# Altium PCB ANTS-DCU_RevB1.PCBDOC (part 2 of 3) (continued)
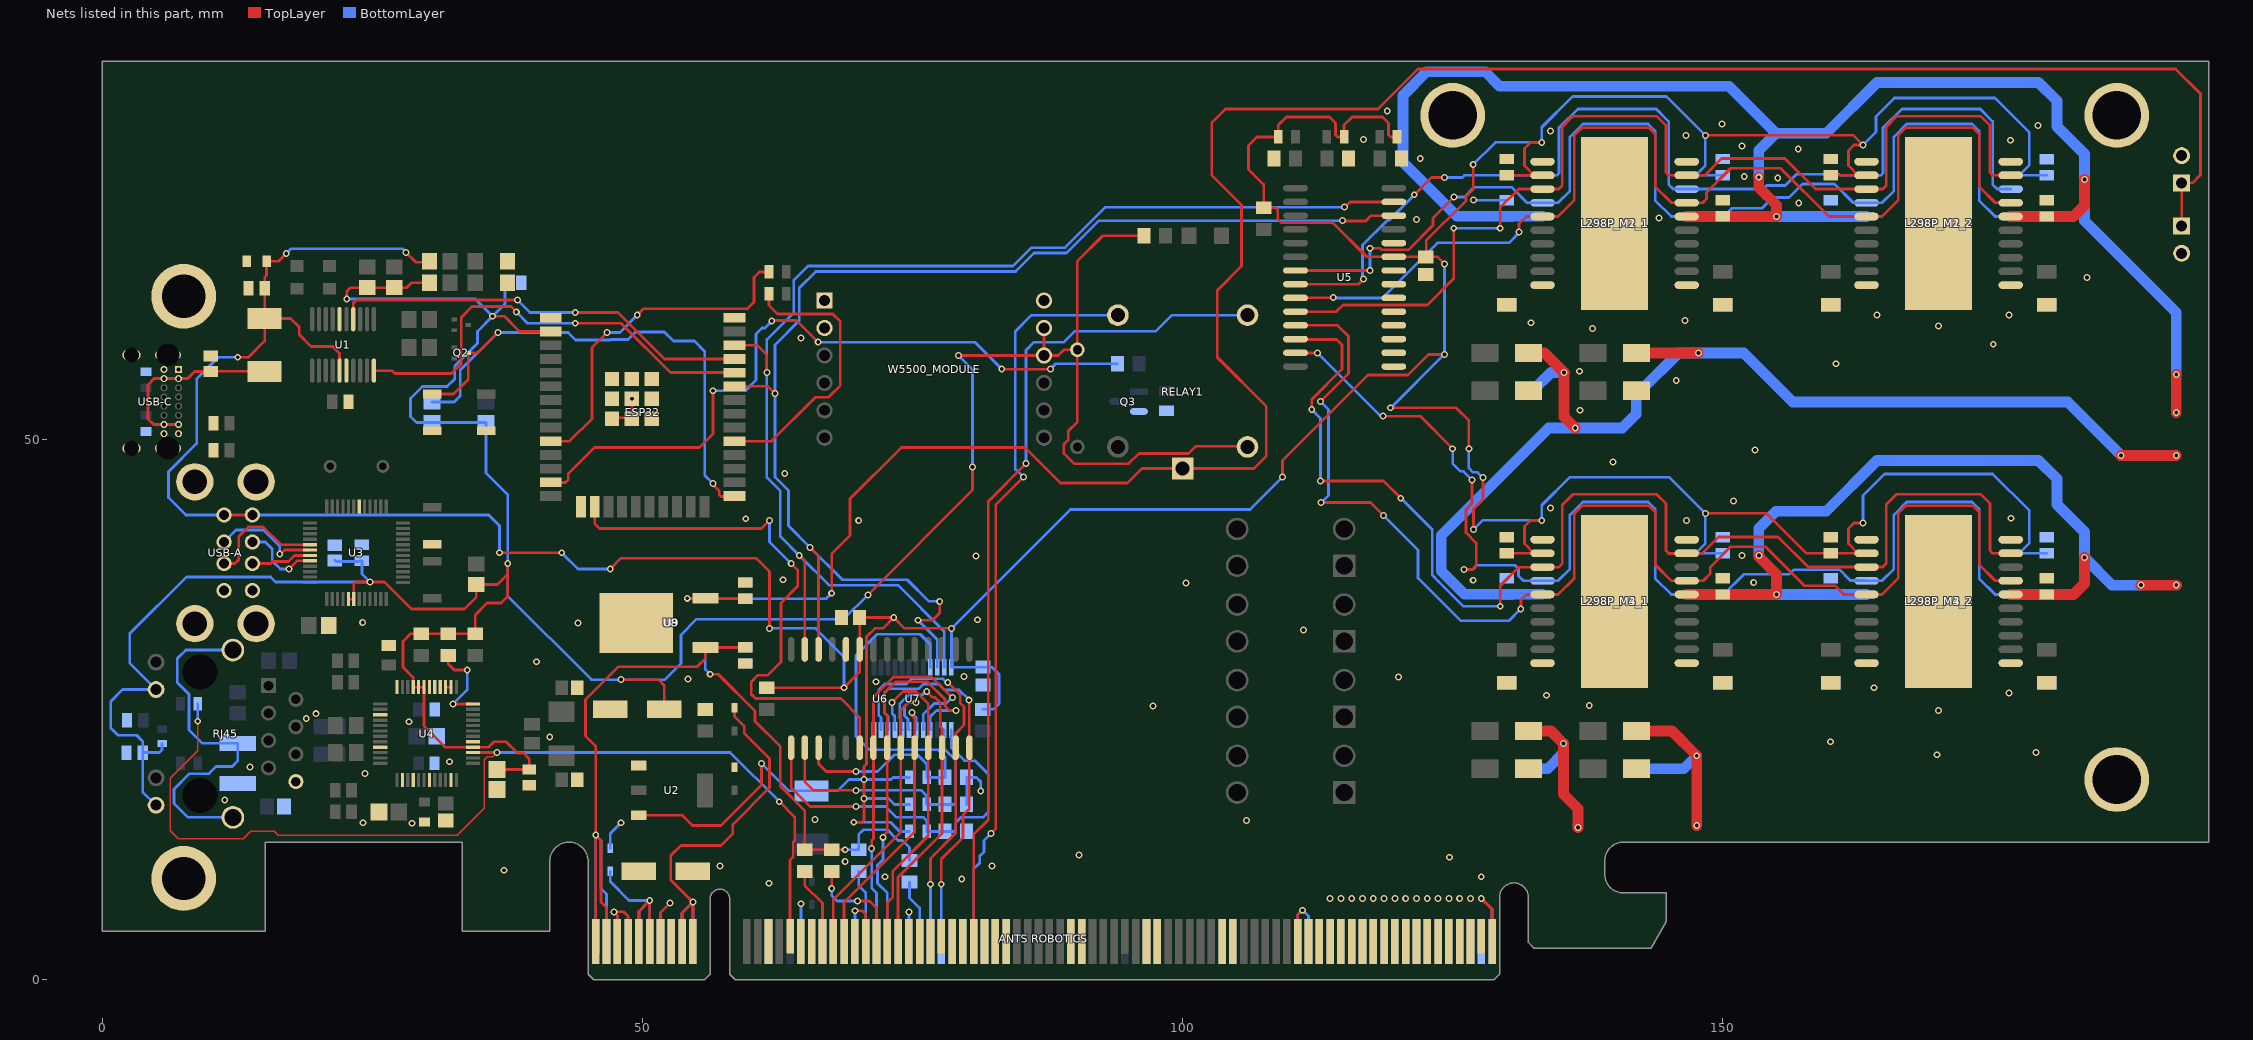
[diagram p2: the nets of this part, all layers, seen from the top]
## Nets (pads, with @x,y where several pads share a name; then routed paths per layer and width w, separated by ;. In a path a pad name is that pad's centre, name@x,y a point inside that pad or via, vN(x,y) a via of type N, cw(c..) or ccw(c..) an arc to the next point about the centre after c; other vN are vias at no path point) (continued)
  BottomLayer w0.254: USB-A.5@11.24,43 7.7,43 6.1,44.6 6.1,47 8.7,49.6 8.7,55.6 10.7,57.6 v1(12.5,57.6) ; USB-A.1@13.86,43 35.75,43 36.75,42 v1(36.75,39.5) ; v1(17,67.2) 17.446,67.646 27.754,67.646 v1(28.1,67.3) ; v1(42.5,39.5) 44,38 v1(47,38) ; D68.1@47,12.14 47,13.5 v1(48,14.5) ; v1(61,20) 63.549,17.451 F-USB2.2@65.65,17.451 68.051,17.451 69.1,18.5 v1(70.5,18.5) 73,18.5 73.2,18.7 ENC_A2.2@74.7,18.7 ; v1(61.75,32.5) 66,32.5 68.65,29.85 68.65,27.15 68.7,27.1 68.65,27.05 v1(68.65,27) ; v1(69.55,14.55) 72.95,14.55 73.8,13.7 ENC_A0.2@74.7,13.7 ; v1(70.5,16.75) 72.75,16.75 73.3,16.2 ENC_A1.2@74.7,16.2 ; R39.2@81.5,25 82.5,25 83,25.5 83,28.25 82.35,28.9 C35.1@81.5,28.9 U7.24@78.575,28.9 78.588,28.912 78.588,32.488 v1(78.6,32.5) 89.6,43.5 106.25,43.5 v1(109.25,46.5) ; v1(119.25,52.928) 119.289,52.928 124.2,57.839 124.25,57.839 v1(124.25,57.85) v1(124.25,66.25) ; v1(126.5,49.128) 126.5,47.334 126.889,46.945 127.291,46.945 127.753,46.483 v1(127.817,46.483) ; v1(126.9,75.45) 128.95,77.5 v1(133.25,77.5) 133.25,78.9 136.1,81.75 144.8,81.75 v1(148.4,78.15) 148.4,75.35 L298P_M1_1.12@147.5,74.45 ; v1(126.929,41.65) 127.779,42.5 v1(133.25,42.5) 133.25,43.9 135.85,46.5 145.05,46.5 v1(148.4,43.15) 148.4,40.35 L298P_M4_1.12@147.5,39.45 ; L298P_M4_1.12@146.675,39.445 C49.1@150,39.445 ; L298P_M1_1.12@146.675,74.445 149.995,74.445 C37.1@150,74.45 ; v1(163,42.25) 163,44.8 165,46.8 175,46.8 178.4,43.4 178.4,40.395 L298P_M4_2.12@177.45,39.445 ; v1(163,77.25) 164.2,78.45 164.2,79.9 165.9,81.6 175.2,81.6 178.4,78.4 178.4,75.395 L298P_M1_2.12@177.45,74.445 ; L298P_M4_2.12@176.675,39.445 L298P_M4_2.12@177.45,39.445 ; L298P_M1_2.12@176.675,74.445 L298P_M1_2.12@177.45,74.445 ; C51.1@180,39.445 L298P_M4_2.12@177.45,39.445 ; C39.1@180,74.445 L298P_M1_2.12@177.45,74.445
+5V_ENC: C55.1 R79.2 R80.2 R81.2 R82.2 U9.3 | length 39.9
  TopLayer w0.254: v1(56.25,28.25) 57,28.25 60.4,24.85 60.4,23.9 62.75,21.55 62.75,17.878 65,15.628 R80.2@65,12 R81.2@67.5,12 v1(68.75,12)
  BottomLayer w0.254: v1(56.25,28.25) 55.8,28.7 U9.3@55.8,30.72 55.83,30.75 C55.1@59.5,30.75 ; v1(68.75,12) R79.2@70,12 70,13.4 70.45,13.85 72.65,13.85 73.65,12.85 74.05,12.85 74.7,12.2 R82.2@74.7,11
+12: C53.1 C54.1 FAN1.1 FAN2.1 RELAY1.1 U8.3 U9.1 | length 214.3
  TopLayer w0.254: v1(54.13,35.28) U8.3@55.8,35.28 55.83,35.25 C53.1@59.5,35.25 ; v1(67.5,35.75) 67.5,39.4 69.2,41.1 69.2,44.5 73.95,49.25 85.4,49.25 88.7,45.95 94.9,45.95 96.25,47.3 RELAY1.1@100,47.3 106.6,47.3 107.75,48.45 107.75,53.05 103.2,57.6 103.2,63.8 105.45,66.05 105.45,71.7 102.7,74.45 102.7,79.35 103.95,80.6 118.1,80.6 121.8,84.3 191.95,84.3 194.25,82 194.25,74.5 193.5,73.75 192.52,73.75 FAN2.1@192.5,73.73 FAN1.1@192.5,69.77
  BottomLayer w0.254: v1(54.13,35.28) U9.1@55.8,35.28 55.83,35.25 59.45,35.25 C54.1@59.5,35.25 67,35.25 v1(67.5,35.75)
+24V_DIGITAL: "ANTS ROBOTICS.A1" "ANTS ROBOTICS.A2" "ANTS ROBOTICS.B1" "ANTS ROBOTICS.B2" C52.1 U8.1 | length 70.1
  TopLayer w0.254: 45.65,3.5 v1(45.65,13.35) ; 46.65,3.5 46.65,6.65 46.15,7.15 46.15,12.85 v1(45.65,13.35) ; C52.1@59.5,30.72 U8.1@55.8,30.72 55.8,29.7 55.05,28.95 47.75,28.95 44.7,25.9 44.7,22.55 45.65,21.6 v1(45.65,13.35)
  BottomLayer w0.254: 45.65,4 v1(45.65,13.35) 46.15,12.85 46.15,8.4 46.65,7.9 46.65,3.65 46.65,3.5
+24V_MOTOR: "ANTS ROBOTICS.A66" "ANTS ROBOTICS.A67" "ANTS ROBOTICS.A68" "ANTS ROBOTICS.A69" "ANTS ROBOTICS.A70" "ANTS ROBOTICS.A71" "ANTS ROBOTICS.A72" "ANTS ROBOTICS.A73" "ANTS ROBOTICS.A74" "ANTS ROBOTICS.A75" "ANTS ROBOTICS.A76" "ANTS ROBOTICS.A77" "ANTS ROBOTICS.A78" "ANTS ROBOTICS.A79" "ANTS ROBOTICS.A80" "ANTS ROBOTICS.A81" "ANTS ROBOTICS.A82" "ANTS ROBOTICS.B66" "ANTS ROBOTICS.B67" "ANTS ROBOTICS.B68" "ANTS ROBOTICS.B69" "ANTS ROBOTICS.B70" "ANTS ROBOTICS.B71" "ANTS ROBOTICS.B72" "ANTS ROBOTICS.B73" "ANTS ROBOTICS.B74" "ANTS ROBOTICS.B75" "ANTS ROBOTICS.B76" "ANTS ROBOTICS.B77" "ANTS ROBOTICS.B78" "ANTS ROBOTICS.B79" "ANTS ROBOTICS.B80" "ANTS ROBOTICS.B81" "ANTS ROBOTICS.B82" C36.1 C38.1 C40.1 C42.1 C44.1 C46.1 C48.1 C50.1 D1.2 D2.2 D17.2 D18.2 D33.2 D34.2 D49.2 D50.2 L298P_M1_1.6 L298P_M1_2.6 L298P_M2_1.6 L298P_M2_2.6 L298P_M3_1.6 L298P_M3_2.6 L298P_M4_1.6 L298P_M4_2.6 | length 400.8
  TopLayer w0.254: 127.65,4 127.65,3.723 127.873,3.5 ; v1(127.65,7.5) 128.65,6.5 128.65,3.5
  TopLayer w1: D33.2@132,23 134.1,23 v1(135.25,21.85) 135.25,17.15 136.6,15.8 v1(136.6,14.05) ; D17.2@132.35,57.65 D17.2@132,58 133.5,58 v1(135.3,56.2) 135.3,52.1 v1(136.35,51.05) ; D34.2@142,23 145.3,23 v1(147.6,20.7) v1(147.6,14.25) ; D18.2@142,58 v1(147.75,58) ; L298P_M3_1.6@146.675,35.635 C44.1@150,35.635 v1(155,35.635) 155,37.499 153.367,39.131 v1(153.367,39.235) ; L298P_M2_1.6@146.675,70.635 152.5,70.635 v1(155,70.635) 155,71.679 153.35,73.329 v1(153.35,74.277) ; L298P_M2_2.6@176.675,70.635 182.5,70.635 182.485,70.635 183.5,71.65 v1(183.5,74.05) ; C46.1@180,35.635 L298P_M3_2.6@176.675,35.635 182.5,35.635 ; 182.485,35.635 183.5,36.65 v1(183.5,39.05) ; v1(186.9,48.5) v1(192,48.5) ; v1(188.75,36.5) v1(192,36.5) v1@192.028,36.5 ; v1(192,52.5) v1(192,56)
  BottomLayer w0.254: v1(127.65,7.5) 128.65,6.5 128.65,3.5
  BottomLayer w1: D49.2@132,19.5 133.8,19.5 135.25,20.95 v1(135.25,21.85) ; D1.2@132,54.5 132.4,54.5 134.1,56.2 v1(135.3,56.2) ; L298P_M4_1.6@133.325,35.65 126.1,35.65 123.95,37.8 123.95,41.1 133.9,51.05 v1(136.35,51.05) 140.7,51.05 142,52.35 D2.2@142,54.5 142.4,54.5 145.9,58 v1(147.75,58) 151.95,58 156.5,53.45 181.95,53.45 v1(186.9,48.5) ; L298P_M1_1.6@133.325,70.65 C36.1@130,70.65 125.4,70.65 120.4,75.65 120.4,81.85 122.591,84.041 128.009,84.041 129.35,82.7 132.95,82.7 150.6,82.7 154.95,78.35 ; D50.2@142,19.5 146.4,19.5 v1(147.6,20.7) ; v1(153.35,74.277) 153.35,76.75 154.95,78.35 ; v1(153.367,39.235) 153.35,39.252 153.35,41.75 154.95,43.35 159.6,43.35 164.3,48.05 179.25,48.05 180.95,46.35 180.95,43.975 183.5,41.425 v1(183.5,39.05) 186.05,36.5 v1(188.75,36.5) ; v1(155,35.635) 157.5,35.635 C50.1@160,35.635 L298P_M4_2.6@163.325,35.635 ; v1(155,70.635) L298P_M1_2.6@163.325,70.635 ; v1(192,56) 192,61.75 183.5,70.25 v1(183.5,74.05) 183.5,76.425 180.95,78.975 180.95,81.35 179.25,83.05 164.3,83.05 159.6,78.35 154.95,78.35
  other v1: 113.65,7.5 114.65,7.5 115.65,7.5 116.65,7.5 117.65,7.5 118.65,7.5 119.65,7.5 120.65,7.5 121.65,7.5 122.65,7.5 123.65,7.5 124.65,7.5 125.65,7.5 126.65,7.5 127.65,9.5
ACT_LED: "ANTS ROBOTICS.B17" R17.2 U4.27 | length 93.1
  TopLayer w0.127: v1(8.8,23.9) 8.8,21.15 6.25,18.6 6.25,13.75 7,13 13,13 13.7,13.7 14.7,13.7 15.9,13.7 16.25,13.35 32.85,13.35 35.35,15.85 35.35,20.35 35.6,20.6 36.1,20.6 v1(36.5,21)
  TopLayer w0.254: U4.27@34.3,21 v1(36.5,21) ; v1(62.65,16.45) 64.073,15.027 64.073,12.86 63.948,12.735 63.948,11.348 63.65,11.05 63.65,4
  BottomLayer w0.254: v1(8.8,23.9) R17.2@8.8,25.5 ; v1(36.5,21) 58.1,21 v1(62.65,16.45)
DM: U3.32 USB-A.2 | length 7.3
  TopLayer w0.254: v1(17.25,38) 18,38.75 U3.32@19.2,38.75
  BottomLayer w0.254: USB-A.2@13.86,40.5 15.05,40.5 15.702,39.848 15.702,38.749 16.45,38 v1(17.25,38)
DP: U3.31 USB-A.3 | length 5.7
  TopLayer w0.254: USB-A.3@13.86,38.5 15.55,38.5 15.748,38.699 17.199,38.699 17.75,39.25 U3.31@19.2,39.25
ENC1-A: "ANTS ROBOTICS.A25" U6.21 U7.5 | length 36.8
  TopLayer w0.254: v1(71.2,12.1) 71.2,12.837 71.365,13.002 U6.21@71.365,21.45 71.365,21.765 71.4,21.8 71.365,21.835 71.365,26.145 73.224,28.004 76.746,28.004 78.65,26.1 v1(78.7,26.1)
  BottomLayer w0.254: v1(71.2,12.1) 71.2,8.45 71.65,8 71.65,3.5 ; U7.5@76.073,23.198 U7.5@75.975,23.1 75.975,24.525 77,25.55 78.083,25.55 78.633,26.1 v1(78.7,26.1)
ENC1-B: "ANTS ROBOTICS.A26" U6.22 U7.4 | length 36.3
  TopLayer w0.254: v1(72.25,13.15) 72.25,13.253 72.635,13.638 U6.22@72.635,21.45 72.635,24.483 72.402,24.716 72.402,26.539 73.412,27.55 76.388,27.55 78.004,25.934 78.004,25.309 78.413,24.9 78.999,24.9 v1(79.001,24.897)
  BottomLayer w0.254: v1(72.25,13.15) 72.25,11.073 71.75,10.573 71.75,8.9 72.65,8 72.65,3.5 ; U7.4@76.723,23.198 U7.4@76.625,23.1 76.625,24.325 77.2,24.9 78.999,24.9 v1(79.001,24.897)
ENC1-I: "ANTS ROBOTICS.A27"
ENC1-PWR: "ANTS ROBOTICS.A24" R79.1 | length 6.8
  BottomLayer w0.254: R79.1@70,10 70,8.7 70.65,8.05 70.65,3.5
ENC2-A: "ANTS ROBOTICS.B21" U6.23 U7.7 | length 29.3
  TopLayer w0.254: 67.65,3.5 67.65,7.4 73.905,13.655 U6.23@73.905,21.45 73.905,24.943 74.601,25.639 75.289,25.639 v1(75.3,25.65)
  BottomLayer w0.254: U7.7@74.675,23.1 74.577,23.198 74.577,24.085 74.251,24.411 74.251,25.282 74.62,25.65 v1(75.3,25.65)
ENC2-B: "ANTS ROBOTICS.B22" U6.24 U7.6 | length 25.8
  TopLayer w0.254: 68.65,3.5 68.65,7.1 75.175,13.625 U6.24@75.175,21.45 75.2,21.475 75.2,24.1 75.023,24.277 75.023,24.627 v1(74.95,24.7)
  BottomLayer w0.254: v1(74.95,24.7) 74.95,24.597 75.313,24.234 75.313,23.112 U7.6@75.325,23.1
ENC2-I: "ANTS ROBOTICS.B23"
ENC2-PWR: "ANTS ROBOTICS.B20" R80.1 | length 7.3
  TopLayer w0.254: R80.1@65,10 65,8.7 66.65,7.05 66.65,3.55 66.6,3.5 66.65,3.5
ENC3-A: "ANTS ROBOTICS.B26" U6.25 U7.9 | length 30.5
  TopLayer w0.254: 72.65,3.5 72.65,7.1 73.147,7.597 73.147,9.997 76.445,13.295 U6.25@76.445,21.45 76.45,21.455 76.45,25.512 75.312,26.65 74.1,26.65 v1(73.1,25.65)
  BottomLayer w0.254: v1(73.1,25.65) 73.1,24.6 73.342,24.358 73.342,23.133 U7.9@73.375,23.1
ENC3-B: "ANTS ROBOTICS.B27" U6.26 U7.8 | length 31
  TopLayer w0.254: 73.65,3.5 73.65,9.45 77.715,13.515 U6.26@77.715,21.45 77.715,23.235 77.55,23.4 77.55,25.65 77.086,26.114 76.836,26.114 v1(76.3,26.65)
  BottomLayer w0.254: U7.8@74.025,23.1 73.927,23.198 73.927,24.093 73.798,24.223 73.798,25.477 74.669,26.348 75.895,26.348 76.197,26.65 v1(76.3,26.65)
ENC3-I: "ANTS ROBOTICS.B28"
ENC3-PWR: "ANTS ROBOTICS.B25" R81.1 | length 10
  TopLayer w0.254: v1(67.5,8.4) R81.1@67.5,10 ; v1(69.9,7.25) 71,7.25 71.65,6.6 71.65,3.55 71.6,3.5 71.65,3.5
  BottomLayer w0.254: v1(67.5,8.4) 67.5,7.75 68,7.25 v1(69.9,7.25)
ENC4-A: "ANTS ROBOTICS.A30" U6.27 U7.11 | length 36.7
  TopLayer w0.254: v1(76.65,8.8) 76.65,11.2 78.985,13.535 U6.27@78.985,21.45 78.985,22.779 79.75,23.544 79.75,25.25 79.4,25.6 79.4,26.388 78.905,26.882 78.868,26.882 v1(78.25,27.5)
  BottomLayer w0.254: U7.11@72.075,23.1 72.075,24.231 71.85,24.456 71.85,26.8 72.404,27.354 74.404,27.354 74.873,27.823 77.824,27.823 78.147,27.5 v1(78.25,27.5) ; 76.65,3.5 v1(76.65,8.8)
ENC4-B: "ANTS ROBOTICS.A31" U6.28 U7.10 | length 35.8
  TopLayer w0.254: v1(77.65,8.8) 77.65,11.15 79.65,13.15 79.65,15.2 80.25,15.8 80.25,21.2 80.255,21.205 80.228,21.233 80.228,25.822 v1(80.2,25.85)
  BottomLayer w0.254: U7.10@72.725,23.1 72.725,24.333 72.402,24.656 72.402,26.539 72.762,26.9 75.55,26.9 76,27.35 77.412,27.35 77.961,26.802 79.302,26.802 80.2,25.904 v1(80.2,25.85) ; 77.65,3.5 v1(77.65,8.8)
ENC4-I: "ANTS ROBOTICS.A32"
ENC4-PWR: "ANTS ROBOTICS.A29" R82.1 | length 5.9
  BottomLayer w0.254: R82.1@74.7,9 74.7,7.55 75.65,6.6 75.65,3.5
ENCODER-A0: ENC_A0.1 R38.1 U6.15 U7.1 | length 35.1
  TopLayer w0.254: U6.15@63.745,21.45 63.745,17.755 65.5,16 v1(69.75,16)
  BottomLayer w0.254: v1(69.75,16) 69.75,15.95 69.8,16 72.5,16 73.5,15 76,15 76.3,14.7 ENC_A0.1@76.3,13.7 R38.1@78,13.7 78.85,13.7 79,13.85 79,14.55 79.45,15 81.5,15 82,15.5 82,19 80.75,20.25 79.8,20.25 78.575,21.475 78.575,22.477 78.552,22.5 78.5,22.5 78.575,22.575 U7.1@78.575,23.1
ENCODER-A1: ENC_A1.1 R37.1 U6.16 U7.2 | length 25.7
  TopLayer w0.254: U6.16@65.015,21.45 65.015,18.285 65.8,17.5 v1(69.75,17.5)
  BottomLayer w0.254: v1(69.75,17.5) 75.8,17.5 76.25,17.05 76.25,16.25 ENC_A1.1@76.3,16.2 R37.1@78,16.2 78.8,16.2 79,16.4 79,20.25 77.925,21.325 77.925,22.675 77.9,22.7 77.925,22.725 U7.2@77.925,23.1
ENCODER-A2: ENC_A2.1 R36.1 U6.17 U7.21 | length 44.5
  TopLayer w0.254: U6.17@66.285,21.45 66.285,19.965 67,19.25 v1(69.75,19.25)
  BottomLayer w0.254: v1(69.75,19.25) 71.75,19.25 73.3,20.8 75.45,20.8 76.3,19.95 ENC_A2.1@76.3,18.7 R36.1@78,18.7 78,20.6 77.35,21.25 71,21.25 69.75,22.5 69.75,30 71.7,31.95 75.7,31.95 76.625,31.025 76.625,28.975 76.7,28.9 U7.21@76.625,28.9
ENCODER_INTERRUPT: ESP32.16 U6.20 | length 51.5
  TopLayer w0.254: ESP32.16@45.555,43.75 45.555,42.195 46,41.75 61,41.75 v1(61.75,42.5) ; v1(63.75,38.5) 64.35,37.9 64.35,36.4 62.8,34.85 62.8,29.4 61.55,28.15 60.65,28.15 60.05,27.55 60.05,26.4 60.45,26 68.35,26 70.095,24.255 U6.20@70.095,21.45
  BottomLayer w0.254: v1(61.75,42.5) 61.75,40.5 v1(63.75,38.5)
ESP32-I2C-SCL: ESP32.36 U5.13 U6.13 U7.23 | length 119.9
  TopLayer w0.254: ESP32.36@58.5,58.72 60.58,58.72 61.5,57.8 v1(61.5,56.2) ; v1(64.5,39.25) 65.015,38.735 U6.13@65.015,30.55 ; v1(115,71.5) 115.018,71.5 115.503,71.985 U5.13@119.55,71.985
  BottomLayer w0.254: U7.23@77.925,28.9 77.925,32.225 73.65,36.5 67.25,36.5 v1(64.5,39.25) 62.75,41 62.75,45.2 61.5,46.45 61.5,59.25 64,61.75 64,64.75 65.3,66.05 84.3,66.05 86,67.75 89.108,67.75 92.858,71.5 v1(115,71.5)
ESP32-I2C-SDA: ESP32.33 U5.12 U6.12 U7.22 | length 120.5
  TopLayer w0.254: ESP32.33@58.5,54.91 61.59,54.91 v1(62.25,54.25) ; v1(65.5,40) 66.285,39.215 66.285,31.015 66.3,31 66.285,30.985 U6.12@66.285,30.55 ; v1(75.5,33.25) 76.85,33.25 77.5,33.9 v1(77.5,35) ; v1(114.8,70.25) 114.82,70.23 116.954,70.23 117.439,70.715 U5.12@119.55,70.715
  BottomLayer w0.254: v1(75.5,33.25) 77.275,31.475 U7.22@77.275,28.9 ; v1(77.5,35) 76.5,35 74.5,37 68.5,37 v1(65.5,40) 63.5,42 63.5,45.25 62.25,46.5 v1(62.25,54.25) 62.25,58.75 64.5,61 64.5,64 66.037,65.537 84.537,65.537 86.25,67.25 89.25,67.25 92.25,70.25 v1(114.8,70.25)
ESP32_RX: ESP32.34 U1.20 | length 41.1
  TopLayer w0.254: U1.20@25.15,56.35 26.8,56.35 27.05,56.1 32.3,56.1 33.2,57 33.2,61.3 34.2,62.3 37.8,62.3 v1(38.3,61.8) ; v1(43.75,60.75) 48,60.75 52.57,56.18 ESP32.34@58.5,56.18
  BottomLayer w0.254: v1(38.3,61.8) 39.35,60.75 v1(43.75,60.75)
ESP32_TX: ESP32.35 U1.4 | length 39.2
  TopLayer w0.254: U1.4@23.203,61.125 23.203,62.603 23.5,62.9 v1(38.4,62.9) ; v1(43.75,61.75) 47.724,61.75 52.024,57.45 ESP32.35@58.5,57.45
  BottomLayer w0.254: v1(38.4,62.9) 39.55,61.75 v1(43.75,61.75)
GIGAVAC-ENABLE: ESP32.13 R73.1 | length 66
  TopLayer w0.254: ESP32.13@41.5,46.02 41.63,46.02 41.65,46 42.85,46 43.1,46.25 43.1,46.8 45.55,49.25 55.25,49.25 56.5,50.5 v1(56.5,54.5) ; v1(61.95,60.95) 62,61 64.25,61 v1(66.25,59) ; v1(83.25,56.5) v1(87.75,56.5)
  BottomLayer w0.254: v1(56.5,54.5) 56.5,54.45 56.55,54.5 59.5,54.5 60.5,55.5 60.5,59.75 61.064,60.314 61.314,60.314 v1(61.95,60.95) ; v1(66.25,59) 80.75,59 v1(83.25,56.5) ; v1(87.75,56.5) 88.25,57 R73.1@93.95,57
GIGAVAC-NC: "ANTS ROBOTICS.A34" RELAY1.4 | length 68.8
  TopLayer w0.254: v1(82.25,13.5) 82.7,13.95 82.7,43.95 v1(85.25,46.5)
  BottomLayer w0.254: 80.65,3.5 80.65,4.35 80.65,10.2 81.2,10.75 81.2,11.4 81.6,11.8 81.6,12.85 v1(82.25,13.5) ; v1(85.25,46.5) 84.5,47.25 84.5,60 86,61.5 RELAY1.4@94,61.5
GIGAVAC-NO: "ANTS ROBOTICS.B34" RELAY1.3 | length 78.6
  TopLayer w0.254: 80.65,3.5 80.65,13.4 82,14.75 82,44.25 v1(85.5,47.75)
  BottomLayer w0.254: v1(85.5,47.75) 85.5,58.25 86.25,59 89,59 90,60 97.5,60 99,61.5 RELAY1.3@106,61.5
GND: 3V3.1 5V.1 "ANTS ROBOTICS.A3" "ANTS ROBOTICS.A4" "ANTS ROBOTICS.A7" "ANTS ROBOTICS.A8" "ANTS ROBOTICS.A15" "ANTS ROBOTICS.A18" "ANTS ROBOTICS.A20" "ANTS ROBOTICS.A21" "ANTS ROBOTICS.A22" "ANTS ROBOTICS.A23" "ANTS ROBOTICS.A28" "ANTS ROBOTICS.A33" "ANTS ROBOTICS.A35" "ANTS ROBOTICS.A36" "ANTS ROBOTICS.A37" "ANTS ROBOTICS.A43" "ANTS ROBOTICS.A44" "ANTS ROBOTICS.A50" "ANTS ROBOTICS.A51" "ANTS ROBOTICS.A57" "ANTS ROBOTICS.A58" "ANTS ROBOTICS.A64" "ANTS ROBOTICS.A65" "ANTS ROBOTICS.B3" "ANTS ROBOTICS.B4" "ANTS ROBOTICS.B7" "ANTS ROBOTICS.B8" "ANTS ROBOTICS.B15" "ANTS ROBOTICS.B18" "ANTS ROBOTICS.B19" "ANTS ROBOTICS.B24" "ANTS ROBOTICS.B29" "ANTS ROBOTICS.B30" "ANTS ROBOTICS.B31" "ANTS ROBOTICS.B32" "ANTS ROBOTICS.B33" "ANTS ROBOTICS.B35" "ANTS ROBOTICS.B36" "ANTS ROBOTICS.B37" "ANTS ROBOTICS.B43" "ANTS ROBOTICS.B44" "ANTS ROBOTICS.B50" "ANTS ROBOTICS.B51" "ANTS ROBOTICS.B57" "ANTS ROBOTICS.B58" "ANTS ROBOTICS.B64" "ANTS ROBOTICS.B65" C1.2 C2.2 C3.2 C4.2 C5.2 C6.2 C7.2 C12.2 C13.1 C14.2 C15.2 C16.2 C17.2 C20.1 C21.1 C22.1 C23.2 C24.1 C25.2 C26.1 C27.2 C28.1 C29.1 C30.1 C31.2 C32.2 C33.2 C34.2 C35.2 C36.2 C37.2 C38.2 C39.2 C40.2 C41.2 C42.2 C43.2 C44.2 C45.2 C46.2 C47.2 C48.2 C49.2 C50.2 C51.2 C52.2 C53.2 C54.2 C55.2 D5.1 D6.1 D21.1 D22.1 D37.1 D38.1 D53.1 D54.1 ESP32.1 ESP32.15 ESP32.38 ESP32.39 ESP32_BOOT.1 ESP32_RESET.1 FAN1.2 FAN2.2 L298P_M1_1.1 L298P_M1_1.10 L298P_M1_1.11 L298P_M1_1.20 L298P_M1_1.21 L298P_M1_2.1 L298P_M1_2.10 L298P_M1_2.11 L298P_M1_2.20 L298P_M1_2.21 L298P_M2_1.1 L298P_M2_1.10 L298P_M2_1.11 L298P_M2_1.20 L298P_M2_1.21 L298P_M2_2.1 L298P_M2_2.10 L298P_M2_2.11 L298P_M2_2.20 L298P_M2_2.21 L298P_M3_1.1 L298P_M3_1.10 L298P_M3_1.11 L298P_M3_1.20 L298P_M3_1.21 L298P_M3_2.1 L298P_M3_2.10 L298P_M3_2.11 L298P_M3_2.20 L298P_M3_2.21 L298P_M4_1.1 L298P_M4_1.10 L298P_M4_1.11 L298P_M4_1.20 L298P_M4_1.21 L298P_M4_2.1 L298P_M4_2.10 L298P_M4_2.11 L298P_M4_2.20 L298P_M4_2.21 pad.9 pad.FAN Q3.2 R30.1 R32.2 R33.2 R34.2 R36.2 R37.2 R38.2 R40.1 R41.1 R42.1 R43.1 R44.1 R45.1 R46.1 R47.1 R48.1 R49.1 R50.1 R51.1 R52.1 R53.1 R54.1 R55.1 R74.1 RJ45.8 Rusb1.1 Rusb2.1 U1.6 U1.16 U2.1 U3.18 U4.3 U4.9 U4.14 U4.16 U4.19 U4.23 U4.29 U4.38 U4.39 U4.40 U4.41 U4.42 U4.48 U5.1 U5.2 U5.3 U5.4 U5.5 U5.6 U5.7 U5.8 U5.10 U6.10 U7.12 U8.4 U9.4 USB-A.4 USB-A.8 USB-A.Shell USB-C.1 USB-C.2 USB-C.3 USB-C.4 USB-C.A1 USB-C.A12 USB-C.B1 USB-C.B12 USB-HOST-DWLD.1 W5500_MODULE.1 W5500_MODULE.2 W5500_MODULE.12 | length 47.9
  TopLayer w0.254: U1.6@21.916,61.109 U1.6@21.933,61.125 ; U4.39@31.75,27.05 U4.38@32.25,27.05 ; ESP32.39@47.165,51.925 47.325,51.925 47.4,52 48.925,52 ESP32.39@49,51.925 v1(49,53.76) ; 47.65,3.5 47.65,5.925 47.35,6.225 v1(47.35,6.25) 48.25,6.25 48.65,5.85 48.65,3.5 ; 51.65,3.5 51.65,6.2 v1(52.523,7.073) ; v1(69.65,6.35) 70.35,6.35 70.65,6.05 70.65,3.5 ; 110.65,3.5 110.65,5.95 v1(111.1,6.4)
  BottomLayer w0.254: v1(47.35,6.25) 47.35,6.225 47.65,5.925 47.65,3.5 ; 64.65,3.5 v1(64.65,7) ; 66.65,3.5 66.7,3.5 66.65,3.55 ; 69.65,3.5 v1(69.65,6.35) ; 74.65,3.5 74.65,3.7 74.6,3.75 74.65,3.8 v1(74.65,6.25) ; R37.2@80,16.2 R36.2@80,18.7 80.9,18.7 81.3,18.3 v1(81.3,17.45) ; 110.65,3.5 110.6,3.5 110.65,3.55 110.65,5.95 v1(111.1,6.4) 111.65,5.85 111.65,3.5 ; v1(126.928,72.15) C36.2@130,72.15
  other v1: 61.7,8.9 79.55,9.3 72.448,9.5 37.159,10.1 57.15,10.5 82.35,10.5 68.75,10.9 124.7,11.3 90.4,11.5 28.65,14.45 24.1,14.5 105.9,14.7 65.95,14.8 11.3,16.6 24.3,19.05 13.65,19.65 32.1,20.15 169.85,20.8 179,21 160,22 41.4,22.45 28.35,23.85 18.85,24.15 19.75,24.6 170,24.9 97.25,25.3 137.65,25.35 133.7,26.3 176.5,26.5 164,27 71.6,27.55 54.2,27.8 120,28 79.75,28.05 40.154,29.403 111.2,32.35 44,33 24.073,33.045 81,33.3 100.3,36.7 152.873,36.75 126.9,36.95 63,37 80.85,39.2 151.8,39.26 70,42.5 146.65,42.5 59.55,42.65 176.7,42.7 134.05,43.65 151,44.3 63.15,46.85 139.85,47.9 153,49 136.8,52.7 145.7,55.45 136.75,56.3 160.5,57 175.05,58.8 64.65,59.4 137.95,60.25 170,60.5 132.25,60.8 146.5,61 164.3,61.5 176.5,61.5 183.75,65 121.65,70.35 144.1,70.5 157.05,71.9 155.1,74.2 152,74.35 122,76 157,76.9 151.8,77.15 176.65,77.7 116.75,77.75 146.6,78.15 134.05,78.55 179.2,79.05 149.95,79.2 118.95,80.4
GND_ETH: C16.1 RJ45.S1 RJ45.S2 | length 33.6
  BottomLayer w0.254: RJ45.S2@12.05,15.005 7.895,15.005 6.6,16.3 6.6,17.6 8.048,19.048 9.848,19.048 10.5,19.7 12,19.7 12.5,20.2 C16.1@12.5,21.85 9.25,21.85 8,23.1 8,26.4 6.9,27.5 6.9,29.7 7.695,30.495 11.695,30.495 11.8,30.6 11.905,30.495 RJ45.S1@12.05,30.495
GPIO0: ESP32.25 ESP32_BOOT.2 Q2.3 R13.1 | length 56
  TopLayer w0.254: ESP32_BOOT.2@30.5,54.2 31,54.2 31.1,54.1 31.2,54.2 32.5,54.2 33.848,55.548 Q2.3@33.848,58 34.7,58 v1(36.6,59.9) ; v1(56.5,45.9) 56.5,45.8 57.1,45.2 57.1,44.849 57.249,44.7 58.45,44.7 ESP32.25@58.5,44.75
  BottomLayer w0.254: R13.1@30.5,53.45 32.55,53.45 33.1,54 33.1,56.4 v1(36.6,59.9) 43.1,59.9 43.799,59.201 46.989,59.201 47.037,59.249 48.649,59.249 49.35,59.95 52,59.95 52.85,59.1 54.788,59.1 55.75,58.138 55.75,46.65 v1(56.5,45.9)
"GPIO5 / VSPI_CS": CS5.1 ESP32.29 | length 26.4
  TopLayer w0.254: ESP32.29@58.5,49.83 61.93,49.83 66,53.9 67.2,53.9 68.3,55 68.3,60.9 67.6,61.6 62.5,61.6 61.7,62.4 61.7,63.6 CS5.1@61.7,63.5
"GPIO25 / DAC1 / ADC2_CH8": CS25.1 ESP32.10 | length 31.9
  TopLayer w0.254: ESP32.10@41.5,49.83 43.23,49.83 45.3,51.9 45.3,58.5 v1(46.7,59.9) ; v1(49.5,61.5) 50.1,62.1 59.7,62.1 60.3,62.7 60.3,65 60.8,65.5 CS25.1@61.7,65.5
  BottomLayer w0.254: v1(46.7,59.9) 47.9,59.9 v1(49.5,61.5)
HM: U3.30 USB-A.6 | length 9.9
  TopLayer w0.254: v1(16.4,39.4) 16.503,39.4 16.853,39.75 U3.30@19.2,39.75
  BottomLayer w0.254: USB-A.6@11.24,40.5 12.34,41.6 14.9,41.6 16.4,40.1 v1(16.4,39.4)
HP: U3.29 USB-A.7 | length 11.3
  TopLayer w0.254: USB-A.7@11.24,38.5 12.25,38.5 12.6,38.85 12.6,41 13.5,41.9 14.85,41.9 16.5,40.25 U3.29@19.2,40.25
INTn: R27.1 U4.36 | length 8.4
  TopLayer w0.254: R27.1@32,30 32,29.2 32.55,28.65 v1(33.75,28.65) v1@33.677,28.577 ; v1(32.45,25.5) U4.36@34.3,25.5
  BottomLayer w0.254: v1(32.45,25.5) 33.75,26.8 v1(33.75,28.65)
L298P-M1-1-IN1: L298P_M1_1.7 L298P_M1_1.15 L298P_M1_2.7 L298P_M1_2.15 U5.21 | length 100.2
  TopLayer w0.254: U5.21@110.45,65.635 110.458,65.643 117.342,65.643 v1(117.35,65.65) ; v1(117.35,67.7) 118.288,67.7 118.44,67.548 120.91,67.548 123.184,69.822 123.184,70.484 v1(125.133,72.433)
  BottomLayer w0.254: v1(117.35,65.65) v1(117.35,67.7) ; v1(125.133,72.433) 126.083,72.433 127,73.35 130.45,73.35 131.895,71.905 L298P_M1_1.7@133.325,71.905 134.755,71.905 135.85,73 135.85,78 137.05,79.2 143.1,79.2 143.75,78.55 143.75,72.13 145.245,70.635 L298P_M1_1.15@146.675,70.635 150.085,70.635 150.85,71.4 153.65,71.4 154.65,72.4 156.142,72.4 157.392,73.65 160.35,73.65 162.095,71.905 L298P_M1_2.7@163.325,71.905 164.755,71.905 165.85,73 165.85,78 167.05,79.2 173.1,79.2 173.75,78.55 173.75,72.13 175.245,70.635 L298P_M1_2.15@176.675,70.635
L298P-M1-1-IN2: L298P_M1_1.9 L298P_M1_1.13 L298P_M1_2.9 L298P_M1_2.13 U5.22 | length 96.1
  TopLayer w0.254: U5.22@110.45,64.365 111.015,64.365 111.1,64.45 111.185,64.365 116.265,64.365 v1(116.75,64.85) ; v1(121.45,72.65) 123.05,74.25 v1(124.25,74.25)
  BottomLayer w0.254: v1(116.75,64.85) 116.75,64.953 116.651,65.052 116.651,67.989 118.945,70.283 119.083,70.283 v1(121.45,72.65) ; v1(124.25,74.25) 125.9,74.25 126.095,74.445 L298P_M1_1.9@133.325,74.445 134.645,74.445 134.85,74.65 134.85,78.85 136.6,80.6 143.85,80.6 145,79.45 145,73.6 145.425,73.175 L298P_M1_1.13@146.675,73.175 153.755,73.175 154.08,73.5 155.8,73.5 156.858,74.558 160.784,74.558 160.897,74.445 L298P_M1_2.9@163.325,74.445 164.645,74.445 164.85,74.65 164.85,78.85 166.6,80.6 173.85,80.6 175,79.45 175,73.6 175.425,73.175 L298P_M1_2.13@176.675,73.175
L298P-M2-1-IN1: L298P_M2_1.7 L298P_M2_1.15 L298P_M2_2.7 L298P_M2_2.15 U5.23 | length 98.7
  TopLayer w0.254: U5.23@110.45,63.095 110.478,63.123 113.923,63.123 v1(113.95,63.15) ; v1(131.15,69.2) 131.15,69.974 131.819,70.643 133.317,70.643 L298P_M2_1.15@133.325,70.635 134.755,70.635 136.25,72.13 136.25,78.15 136.95,78.85 143.2,78.85 143.75,78.3 143.75,73.4 145.245,71.905 L298P_M2_1.7@146.675,71.905 148.155,71.905 148.5,72.25 148.5,72.85 150.754,75.104 155.372,75.104 159.841,70.635 L298P_M2_2.15@163.325,70.635 164.755,70.635 166.25,72.13 166.25,78.15 166.95,78.85 173.2,78.85 173.75,78.3 173.75,73.4 175.245,71.905 L298P_M2_2.7@176.675,71.905
  BottomLayer w0.254: v1(113.95,63.15) 114,63.1 118.5,63.1 123.6,68.2 130.2,68.2 v1@131.175,69.175
L298P-M2-1-IN2: L298P_M2_1.9 L298P_M2_1.13 L298P_M2_2.9 L298P_M2_2.13 U5.24 | length 98.2
  TopLayer w0.254: U5.24@110.45,61.825 114.225,61.825 114.852,62.452 122.652,62.452 125.1,64.9 v1(125.1,69.55) ; v1(129.4,69.55) 129.4,71.45 131.125,73.175 L298P_M2_1.13@133.325,73.175 134.825,73.175 135.15,73.5 135.15,78.95 136.123,79.923 143.877,79.923 144.75,79.05 144.75,74.7 145.005,74.445 148.345,74.445 149.912,76.012 155.748,76.012 158.585,73.175 L298P_M2_2.13@163.325,73.175 164.825,73.175 165.15,73.5 165.15,78.95 166.123,79.923 173.877,79.923 174.75,79.05 174.75,74.7 175.005,74.445 L298P_M2_2.9@176.675,74.445
  BottomLayer w0.254: v1(125.1,69.55) v1(129.4,69.55)
L298P-M3-1-IN1: L298P_M3_1.7 L298P_M3_1.15 L298P_M3_2.7 L298P_M3_2.15 U5.25 | length 122.7
  TopLayer w0.254: U5.25@110.45,60.555 114.345,60.555 115.35,59.55 115.35,56.1 v1(112.75,53.5) ; v1(112.8,44.15) 117.4,44.15 v1(118.6,42.95) ; v1(131.3,34.3) 131.317,34.317 131.317,35.126 131.827,35.635 L298P_M3_1.15@133.325,35.635 ; L298P_M3_1.15@133.333,35.628 134.763,35.628 136.258,37.123 136.258,43.143 136.958,43.843 143.208,43.843 143.758,43.292 143.758,38.393 145.253,36.898 L298P_M3_1.7@146.675,36.898 ; L298P_M3_1.7@146.675,36.905 148.205,36.905 148.861,37.561 148.861,38.168 150.754,40.062 153.947,40.062 157.558,36.451 160.399,36.451 161.215,35.635 L298P_M3_2.15@163.325,35.635 164.755,35.635 166.25,37.13 166.25,43.15 166.95,43.85 173.2,43.85 173.75,43.3 173.75,38.4 175.245,36.905 L298P_M3_2.7@176.675,36.905
  BottomLayer w0.254: v1(112.75,53.5) 113.5,52.75 113.5,44.812 112.838,44.15 v1(112.8,44.15) ; v1(118.6,42.95) 121.8,39.75 121.8,37.15 125.757,33.193 130.195,33.193 131.3,34.297 v1(131.3,34.3)
L298P-M3-1-IN2: L298P_M3_1.9 L298P_M3_1.13 L298P_M3_2.9 L298P_M3_2.13 U5.26 | length 115.8
  TopLayer w0.254: U5.26@110.45,59.285 110.485,59.25 114.25,59.25 114.75,58.75 114.75,56.5 111.95,53.7 v1(111.95,52.75) ; v1(112.75,46.15) 118.6,46.15 v1(120.2,44.55) ; v1(129.408,34.543) 129.408,36.443 131.133,38.168 134.833,38.168 135.158,38.492 135.158,43.942 136.131,44.916 143.885,44.916 144.758,44.042 144.758,39.693 145.013,39.438 L298P_M3_1.9@146.675,39.438 ; L298P_M3_1.9@146.675,39.445 148.095,39.445 149.62,40.97 155.132,40.97 157.927,38.175 L298P_M3_2.13@163.325,38.175 164.825,38.175 165.15,38.5 165.15,43.95 166.123,44.923 173.877,44.923 174.75,44.05 174.75,39.7 175.005,39.445 L298P_M3_2.9@176.675,39.445
  BottomLayer w0.254: v1(111.95,52.75) 112.761,51.939 112.761,46.161 v1(112.75,46.15) ; v1(120.2,44.55) 123.108,41.642 123.108,37.442 123.75,36.8 126.008,34.543 v1(129.408,34.543)
L298P-M4-1-IN1: L298P_M4_1.7 L298P_M4_1.15 L298P_M4_2.7 L298P_M4_2.15 U5.27 | length 111.6
  TopLayer w0.254: U5.27@110.45,58.015 110.458,58.007 112.493,58.007 v1(112.5,58) ; v1(118.55,52.15) 122,52.15 125,49.15 v1(125,49.128) ; v1(126.05,37.95) 126.823,37.95 127.173,38.3 127.173,40.418 126.23,41.361 126.23,43.48 126.8,44.05 v1(126.8,46.25)
  BottomLayer w0.254: v1(112.5,58) 118.277,52.223 118.477,52.223 v1(118.55,52.15) ; v1(125,49.128) 125,47.75 125.714,47.036 126.014,47.036 v1(126.8,46.25) ; v1(126.05,37.95) 126.076,37.976 126.876,37.976 127.25,38.35 130.75,38.35 131.1,38 131.1,37.35 131.545,36.905 L298P_M4_1.7@133.325,36.905 134.755,36.905 135.85,38 135.85,43 137.05,44.2 143.1,44.2 143.75,43.55 143.75,37.13 145.245,35.635 L298P_M4_1.15@146.675,35.635 150.085,35.635 151.95,37.5 156.162,37.5 156.599,37.937 160.81,37.937 161.819,36.928 163.302,36.928 L298P_M4_2.7@163.325,36.905 164.755,36.905 165.85,38 165.85,43 167.05,44.2 173.1,44.2 173.75,43.55 173.75,37.13 175.245,35.635 L298P_M4_2.15@176.675,35.635